# Altium PCB RoboFly.PcbDoc (part 1 of 2)
Units mm, origin at the board's own origin, x right, y up, seen from the top; angles counter-clockwise.
Board outline 75 x 75 mm, 2 copper layers (Top Layer, Bottom Layer); 111 components, 67 nets, 308 pads, 353 vias.
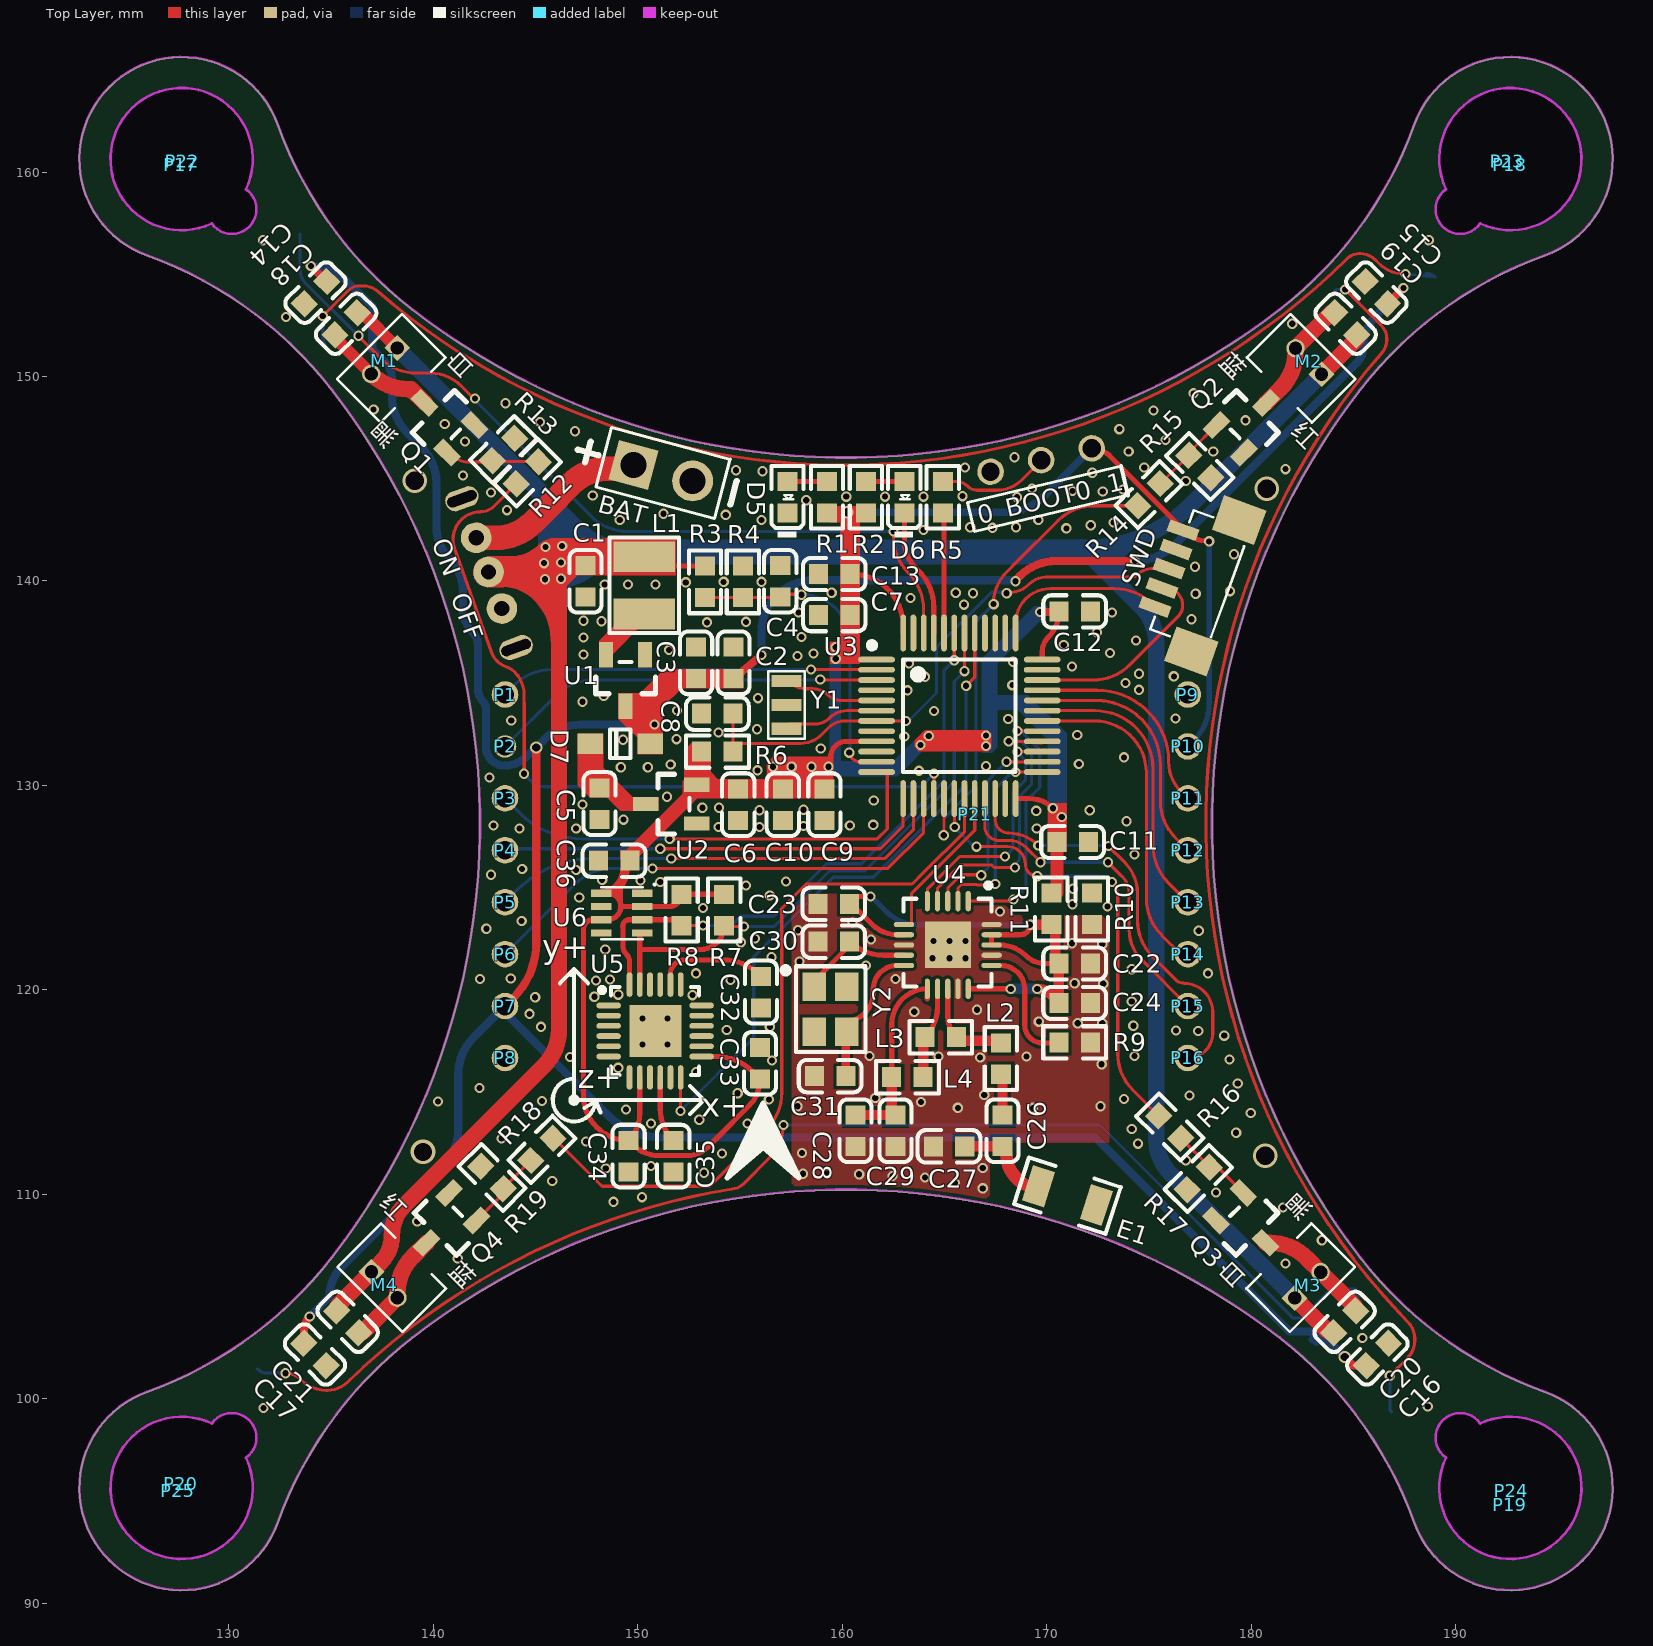
[diagram p0: Top Layer view]
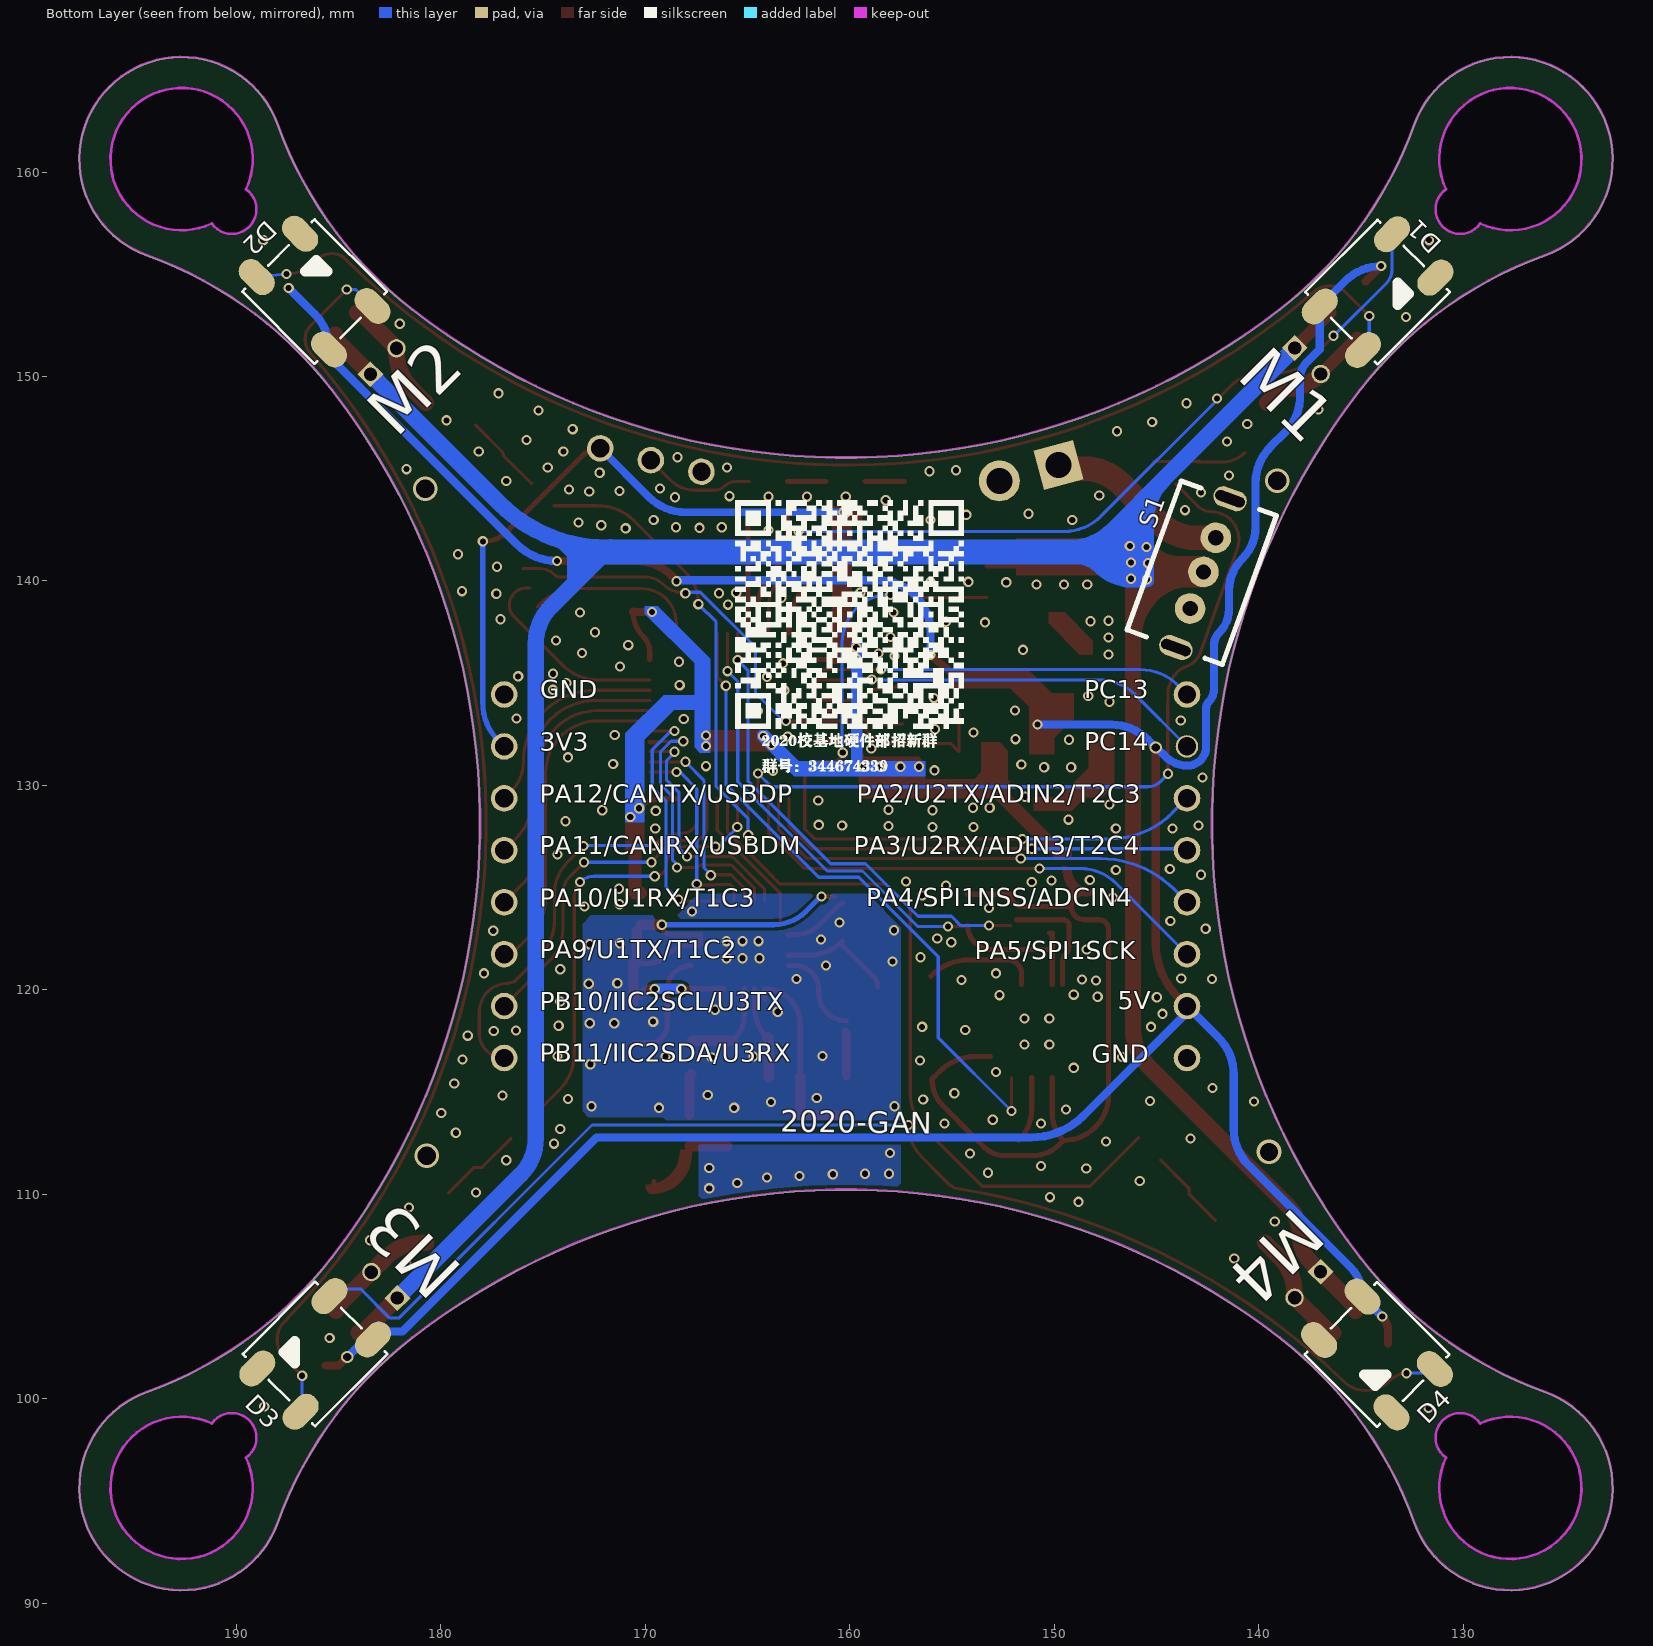
[diagram p1: Bottom Layer view, seen from below]

## Layer stack, top to bottom
Top Solder: solder mask 0.0102, Solder Resist, Dk 3.5
Top Layer: signal copper 0.0356
Dielectric1: dielectric 0.32, FR-4, Dk 4.8
Bottom Layer: signal copper 0.0356
Bottom Solder: solder mask 0.0102, Solder Resist, Dk 3.5

## Board outline
125.995,100.313 ccw(c127.688,95.608) 132.393,93.915 cw(c151.212,87.144) 138.981,102.968 cw(c160.188,75.529) 181.396,102.968 cw(c169.165,87.144) 187.984,93.915 ccw(c192.688,95.608) 194.381,100.313 cw(c201.153,119.132) 185.329,106.901 cw(c212.767,128.108) 185.329,149.316 cw(c201.153,137.085) 194.381,155.904 ccw(c192.688,160.608) 187.984,162.301 cw(c169.165,169.073) 181.396,153.249 cw(c160.188,180.687) 138.981,153.249 cw(c151.212,169.073) 132.393,162.301 ccw(c127.688,160.608) 125.995,155.904 cw(c119.224,137.085) 135.048,149.316 cw(c107.61,128.108) 135.048,106.901 cw(c119.224,119.132)
cut-out: 129.167,98.784 ccw(c127.688,95.634) 130.839,97.112 130.838,97.112 ccw(c130.149,98.094)
cut-out: 189.539,97.112 cw(c190.228,98.094) 191.21,98.783 191.21,98.784 cw(c192.688,95.634)
cut-out: 189.539,159.156 ccw(c190.228,158.173) 191.21,157.484 191.21,157.483 ccw(c192.688,160.634)
cut-out: 129.167,157.483 cw(c127.688,160.634) 130.839,159.155 130.838,159.156 cw(c130.149,158.173)

## Design rules (kind name [scope] priority, off if disabled: settings)
Clearance [All] p1: gap=0.152 ignorepadtopadclearanceinfootprint=FALSE except(0: Arc-Hole Track-Hole SMDPad-Hole THPad-Hole Via-Hole Fill-Hole Poly-Hole Region-Hole Text-Hole)
ComponentClearance [All] p1: gap=0 collisioncheckmode=3 verticalgap=0 showdistances=FALSE
FabricationTestPointUsage TestPointUsage [All] p1: valid=0 allowmultiple=FALSE
FabricationTestpoint Testpoint [All] p1: side=3 testpointundercomponent=TRUE minsize=1.016 maxsize=2.54 preferedsize=1.524 minholesize=0 maxholesize=1.016 preferedholesize=0.813 testpointgrid=0.025 allowsidetop=TRUE allowsidebottom=TRUE usegrid=TRUE gridtolerance=0
HoleToHoleClearance [All] p1: gap=0 allowstackedmicrovias=TRUE
MinimumSolderMaskSliver [All] p1: minsoldermaskwidth=0
PlaneConnect [All] p1: planeconnectstyle=Direct reliefexpansion=0.508 reliefentries=4 reliefconductorwidth=0.254 reliefairgap=0.254
PolygonConnect [(InNet('GND') OR InNet('RF_GND'))] p1: connectstyle=Direct reliefconductorwidth=0.254 reliefentries=4 polygonreliefangle="90 Angle" airgapwidth=0.254
RoutingVias [All] p1: holewidth=0.3 width=0.5 viastyle="Through Hole" minholewidth=0.3 minwidth=0.5 maxholewidth=3 maxwidth=5
SilkToSilkClearance [All] p1: silktosilkclearance=0
SilkToSolderMaskClearance SilkscreenOverComponentPads [IsPad] p1: minsilkscreentomaskgap=0 clearancetoexposedcopper=TRUE
SolderMaskExpansion [All] p1: expansion=0.102 istentingtop=FALSE
Width [All] p1: maxlimit=3.048 minlimit=0.152 preferedwidth=0.152
22 further rules are at their usual default settings.

## Components (designator, comment, footprint, x,y, rotation, side; value= is the part's Value field where it differs from the comment)
BAT "BAT" BAT 149.789,145.665 r345 top
BOOT0 "BOOT" HEADER1X3 167.259,145.339 r13 top
C1 "C_0603" C_0603 147.447,139.979 r270 top
C2 "C_0603" C_0603 154.686,135.992 r90 top
C3 "C_0603" C_0603 152.857,135.992 r90 top
C4 "C_0603" C_0603 156.972,139.979 r270 top
C5 "C_0603" C_0603 148.133,129.108 r270 top
C6 "C_0603" C_0603 154.915,129.057 r270 top
C7 "C_0603" C_0603 159.614,138.328 r0 top
C8 "C_0603" C_0603 153.899,133.502 r0 top
C9 "C_0603" C_0603 159.131,129.057 r90 top
C10 "C_0603" C_0603 157.099,129.057 r90 top
C11 "C_0603" C_0603 171.272,127.229 r0 top
C12 "C_0603" C_0603 171.374,138.506 r180 top
C13 "C_0603" C_0603 159.614,140.335 r180 top
C14 "C_0603" C_0603 134.239,154.102 r45 top
C15 "C_0603" C_0603 186.131,154.102 r315 top
C16 "C_0603" C_0603 186.182,102.159 r225 top
C17 "C_0603" C_0603 134.214,102.159 r135 top
C18 "C_0603" C_0603 135.738,152.578 r45 top
C19 "C_0603" C_0603 184.633,152.578 r315 top
C20 "C_0603" C_0603 184.582,103.759 r225 top
C21 "C_0603" C_0603 135.814,103.759 r135 top
C22 "C_0603" C_0603 171.374,121.285 r0 top
C23 "C_0603" C_0603 159.588,124.206 r180 top
C24 "C_0603" C_0603 171.374,119.355 r0 top
C26 "C_0603" C_0603 167.843,113.106 r270 top
C27 "C_0603" C_0603 165.227,112.344 r0 top
C28 "C_0603" C_0603 160.655,113.106 r90 top
C29 "C_0603" C_0603 162.611,113.106 r90 top
C30 "C_0603" C_0603 159.588,122.352 r0 top
C31 "C_0603" C_0603 159.41,115.773 r0 top
C32 "C_0603" C_0603 156.032,119.888 r90 top
C33 "C_0603" C_0603 155.981,116.408 r270 top
C34 "C_0603" C_0603 149.555,111.862 r90 top
C35 "C_0603" C_0603 151.74,111.862 r270 top
C36 "C_0603" C_0603 148.844,126.314 r180 top
D1 "P923D" RGB_LED_5050 134.188,154.127 r45 bottom
D2 "P923D" RGB_LED_5050 186.182,154.153 r315 bottom
D3 "P923D" RGB_LED_5050 186.157,102.184 r225 bottom
D4 "P923D" RGB_LED_5050 134.214,102.159 r135 bottom
D5 "红色" LED-0603 157.353,144.12 r270 top
D6 "绿色" LED-0603 163.068,144.12 r270 top
D7 "1N4148" SOD-123 149.149,132.029 r0 top
E1 "ANT" ANT 171.018,109.928 r342 top
L1 "Inductor" L_1210 150.317,139.779 r270 top
L2 "Inductor" L_0603 167.767,116.637 r270 top
L3 "Inductor" L_0603 164.821,117.678 r0 top
L4 "Inductor" L_0603 163.195,115.722 r180 top
M1 "Motor_720" MOTOR 137.592,150.749 r225 top
M2 "Motor_720" MOTOR 182.804,150.749 r135 top
M3 "Motor_720" MOTOR 182.778,105.562 r45 top
M4 "Motor_720" MOTOR 137.617,105.562 r315 top
P1 "Header 1" HEADER1#1 143.51,134.442 r270 top
P2 "Header 1" HEADER1#2 143.51,131.902 r270 top
P3 "Header 1" HEADER1#1 143.51,129.362 r0 top
P4 "Header 1" HEADER1#1 143.51,126.822 r0 top
P5 "Header 1" HEADER1#1 143.51,124.282 r0 top
P6 "Header 1" HEADER1#1 143.51,121.742 r0 top
P7 "Header 1" HEADER1#1 143.51,119.202 r0 top
P8 "Header 1" HEADER1#1 143.51,116.662 r0 top
P9 "Header 1" HEADER1#1 176.911,134.442 r0 top
P10 "Header 1" HEADER1#1 176.911,131.902 r0 top
P11 "Header 1" HEADER1#1 176.911,129.362 r0 top
P12 "Header 1" HEADER1#1 176.911,126.822 r0 top
P13 "Header 1" HEADER1#1 176.911,124.282 r0 top
P14 "Header 1" HEADER1#1 176.911,121.742 r0 top
P15 "Header 1" HEADER1#1 176.911,119.202 r0 top
P16 "Header 1" HEADER1#1 176.911,116.662 r0 top
P17 "Header 1" 720MOTOR 127.635,160.35 r0 top
P18 "Header 1" 720MOTOR 192.659,160.35 r0 top
P19 "Header 1" 720MOTOR 192.659,94.818 r0 top
P20 "Header 1" 720MOTOR 127.635,95.834 r0 top
P21 "Header 1" PROTECT_COVER 166.485,128.576 r0 top
P22 "Header 1" BLADEB 127.711,160.528 r225 top
P23 "Header 1" BLADEA 192.532,160.528 r135 top
P24 "Header 1" BLADEB 192.735,95.504 r225 top
P25 "Header 1" BLADEA 127.508,95.504 r315 top
Q1 "SI2302" SOT-23(SOT-23-3) 140.462,147.828 r315 top
Q2 "SI2302" SOT-23(SOT-23-3) 179.857,147.828 r225 top
Q3 "SI2302" SOT-23(SOT-23-3) 179.832,108.509 r135 top
Q4 "SI2302" SOT-23(SOT-23-3) 140.564,108.509 r45 top
R1 "R_0603" R_0603 159.258,144.094 r90 top
R2 "R_0603" R_0603 161.163,144.094 r90 top
R3 "R_0603" R_0603 153.289,139.954 r90 top
R4 "R_0603" R_0603 155.143,139.954 r270 top
R5 "R_0603" R_0603 164.922,144.094 r270 top
R6 "R_0603" R_0603 153.899,131.648 r180 top
R7 "R_0603" R_0603 154.229,123.901 r270 top
R8 "R_0603" R_0603 152.146,123.901 r270 top
R9 "R_0603" R_0603 171.374,117.424 r0 top
R10 "R_0603" R_0603 172.212,123.952 r270 top
R11 "R_0603" R_0603 170.231,123.952 r270 top
R12 "R_0603" R_0603 144.602,145.288 r45 top
R13 "R_0603" R_0603 143.434,146.431 r225 top
R14 "R_0603" R_0603 175.006,144.221 r45 top
R15 "R_0603" R_0603 177.495,145.593 r135 top
R16 "R_0603" R_0603 176.022,113.284 r315 top
R17 "R_0603" R_0603 177.419,110.769 r45 top
R18 "R_0603" R_0603 145.313,112.192 r225 top
R19 "R_0603" R_0603 142.875,110.82 r315 top
S1 "SW-SPDT" SWITCH_PWR 141.402,144.018 r200 bottom
SWD "SWD" SH1_0X5P_WT 176.13,140.547 r70 top
U1 "HT7750SA" SOT-23(SOT-23-3) 149.403,135.128 r90 top
U2 "XC6206" SOT-23(SOT-23-3) 151.638,129.083 r0 top
U3 "STM32F103C8T6" LQFP-48_7x7x05P 165.735,133.401 r270 top
U4 "Si24R1" QFN20 166.167,124.333 r270 top
U5 "MPU6050" QFN-24_4x4x05P 150.851,117.983 r270 top
U6 "FBM320\BMP280\SPL06" LGA-2_5X2MM 149.225,123.749 r0 top
Y1 "XTAL" SMD-cstse800G52-r0 157.277,133.934 r270 top
Y2 "XTAL" SMD-3225_4P 159.436,119.05 r270 top

## Footprints (in the part's own frame and the unit in brackets; to place one, negate y for a bottom-side part, rotate by r counter-clockwise, add the part's x,y. Pads: shape width x height; smd on the part's side, far side on the other; paste and mask are expansions set on the pad)
720MOTOR [mm]
  body extent -4.5,-4.5 4.5,4.5, height 20.3
ANT [mm]
  rect 1.13x1.8 smd: 0(1.49,0) 1(-1.49,0)
  silkscreen extent -2.36,-1.2 2.35,1.2, body extent -2.25,-1 2.25,1, height 0.88
BAT [mm]
  rect 2x2 hole 1.27: 1(0,0)
  round 2 hole 1.27: 2(3,0)
  silkscreen extent -2.82,-1.5 5.08,1.5
BLADEA [mm]
  body extent -27.5,-3.91 27.5,3.92, height 20
BLADEB [mm]
  body extent -27.5,-4 27.5,4, height 20
C_0603 [mm]
  rect 0.93x0.98 smd: 1(-0.77,0) 2(0.77,0)
  silkscreen extent -1.53,-0.79 1.54,0.79, body extent -0.8,-0.4 0.8,0.4, height 0.3
HEADER1#1 [mm]
  round 1.3 hole 0.9: 1(0,0)
  body extent -1.26,-1.26 1.28,1.28, height 8.5
HEADER1#2 [mm]
  round 1.1 hole 0.9: 1(0,0)
  body extent -1.26,-1.26 1.28,1.28, height 8.5
HEADER1X3 [mm]
  round 1.3 hole 0.9: 1(0,0) 2(2.54,0) 3(5.08,0)
  body extent -1.26,-1.26 6.36,1.28, height 8.5
L_0603 [mm]
  rect 0.93x0.98 smd: 1(-0.77,0) 2(0.77,0)
  silkscreen extent -1.54,-0.79 1.54,0.79, body extent -0.85,-0.4 0.85,0.4, height 0.56
L_1210 [mm]
  rect 1.5x3 smd: 1(-1.394,0) 2(1.394,0)
  silkscreen extent -2.34,-1.7 2.34,1.7, body extent -1.89,-1.51 3.55,3.16, height 1.9
LED-0603 [mm]
  rect 0.93x0.98 smd: 1(-0.745,-0.025) 2(0.795,-0.025)
  silkscreen extent -1.51,-0.82 2,0.76, body extent -0.77,-0.43 0.83,0.37, height 0.6
LGA-2_5X2MM [mm]
  rect 1x0.35 smd: 1(1.001,0.975) 2(1.001,0.325) 3(1.001,-0.325) 4(1.001,-0.975) 5(-1.001,-0.975) 6(-1.001,-0.325) 7(-1.001,0.325) 8(-1.001,0.975)
  silkscreen extent -1.02,-1.27 1.65,1.45, body extent -1.09,-1.35 1.09,1.31, height 0.9
LQFP-48_7x7x05P [mm]
  oval 0.28x1.8 smd mask+0.051: 1(-2.75,-4.05) 2(-2.25,-4.05) 3(-1.75,-4.05) 4(-1.25,-4.05) 5(-0.75,-4.05) 6(-0.25,-4.05) 7(0.25,-4.05) 8(0.75,-4.05) 9(1.25,-4.05) 10(1.75,-4.05) 11(2.25,-4.05) 12(2.75,-4.05) 25(2.75,4.05) 26(2.25,4.05) 27(1.75,4.05) 28(1.25,4.05) 29(0.75,4.05) 30(0.25,4.05) 31(-0.25,4.05) 32(-0.75,4.05) 33(-1.25,4.05) 34(-1.75,4.05) 35(-2.25,4.05) 36(-2.75,4.05)
  oval 1.8x0.28 smd mask+0.051: 13(4.05,-2.75) 14(4.05,-2.25) 15(4.05,-1.75) 16(4.05,-1.25) 17(4.05,-0.75) 18(4.05,-0.25) 19(4.05,0.25) 20(4.05,0.75) 21(4.05,1.25) 22(4.05,1.75) 23(4.05,2.25) 24(4.05,2.75) 37(-4.05,2.75) 38(-4.05,2.25) 39(-4.05,1.75) 40(-4.05,1.25) 41(-4.05,0.75) 42(-4.05,0.25) 43(-4.05,-0.25) 44(-4.05,-0.75) 45(-4.05,-1.25) 46(-4.05,-1.75) 47(-4.05,-2.25) 48(-4.05,-2.75)
  silkscreen extent -3.6,-4.42 2.75,2.75, body extent -4.5,-4.5 4.5,4.5, height 1.45
MOTOR [mm]
  rect 0.9x0.9 hole 0.65: 1(-0.911,0)
  round 0.9 hole 0.65: 2(0.886,0)
  silkscreen extent -2.25,-1 2.25,2, body extent -2.09,-1.19 2.11,2.01, height 5
PROTECT_COVER [mm]
  body extent -66.35,-66.54 66.65,66.34, height 16
QFN20 [mm]
  rect 2.261x2.261 smd: 0(2.134,-0.991)
  oval 1x0.25 smd: 1(0,0) 2(0,-0.5) 3(0,-1) 4(0,-1.5) 5(0,-2) 11(4.286,-2) 12(4.286,-1.5) 13(4.286,-1) 14(4.286,-0.5) 15(4.286,0)
  oval 0.25x1 smd: 6(1.143,-3.143) 7(1.643,-3.143) 8(2.143,-3.143) 9(2.643,-3.143) 10(3.143,-3.143) 16(3.143,1.143) 17(2.643,1.143) 18(2.143,1.143) 19(1.643,1.143) 20(1.143,1.143)
  silkscreen extent -0.89,-3.17 4.18,1.13, body extent 0.03,-3.02 4.03,0.98, height 0.9
QFN-24_4x4x05P [mm]
  oval 0.28x1.2 smd mask+0.051: 1(-1.25,-2.273) 2(-0.75,-2.273) 3(-0.25,-2.273) 4(0.25,-2.273) 5(0.75,-2.273) 6(1.25,-2.273) 13(1.25,2.273) 14(0.75,2.273) 15(0.25,2.273) 16(-0.25,2.273) 17(-0.75,2.273) 18(-1.25,2.273)
  oval 1.2x0.28 smd mask+0.051: 7(2.273,-1.25) 8(2.273,-0.75) 9(2.273,-0.25) 10(2.273,0.25) 11(2.273,0.75) 12(2.273,1.25) 19(-2.273,1.25) 20(-2.273,0.75) 21(-2.273,0.25) 22(-2.273,-0.25) 23(-2.273,-0.75) 24(-2.273,-1.25)
  silkscreen extent -2.15,-2.72 2.15,2.15, body extent -2,-2 2,2, height 0.9
R_0603 [mm]
  rect 0.93x0.98 smd: 1(-0.77,0) 2(0.77,0)
  silkscreen extent -1.53,-0.79 1.54,0.79, body extent -0.85,-0.4 0.85,0.4, height 0.56
RGB_LED_5050 [mm]
  oval 1.2x2 smd: 1(-1.5,-2.5) 2(1.5,-2.5) 3(1.5,2.5) 4(-1.5,2.5)
  silkscreen extent -2.5,-2.5 2.5,2.5, body extent -2.5,-2.7 2.5,2.7, height 1.55
SH1_0X5P_WT [mm]
  rect 0.6x1.5 smd: 1(-2,0.15) 2(-1,0.15) 3(0,0.15) 4(1,0.15) 5(2,0.15)
  rect 1.8x2.2 smd: 6(3.404,-2.261) 7(-3.429,-2.261)
  silkscreen extent -3.1,-2.92 3.1,0, body extent -3.55,-4.04 3.45,0.91, height 2.9
SMD-3225_4P [mm]
  rect 1.4x1.15 smd: 1(-1.1,-0.8) 2(1.1,-0.8) 3(1.1,0.8) 4(-1.1,0.8)
  silkscreen extent -2.1,-2.35 2.1,1.7, body extent -1.6,-1.25 1.6,1.25, height 0.61
SMD-cstse800G52-r0 [mm]
  rect 0.6x1.45 smd: 1(-1.168,0) 2(1.168,0) 3(0,0)
  silkscreen extent -1.65,-0.89 1.65,0.89, body extent -1.61,-0.76 1.59,0.76, height 0.7
SOD-123 [mm]
  rect 1.25x1 smd: 1(1.475,0) 2(-1.475,0)
  silkscreen extent -0.5,-0.7 0.5,0.7, body extent -1.85,-0.77 1.85,0.78, height 1.35
SOT-23(SOT-23-3) [mm]
  rect 1.25x0.7 smd: 1(1.25,-0.95) 2(1.25,0.95) 3(-1.25,0)
  silkscreen extent -0.65,-1.46 0.9,1.46, body extent -1.25,-1.5 1.15,1.5, height 1.05
SWITCH_PWR [mm]
  round 1.5 hole 0.75: 1(0,-2.032) 2(0,-3.81) 3(0,-5.715)
  oval 1.676x1 hole 0.5 slot 1.5 at 0 deg: ""(0,0) ""(0,-7.747)
  silkscreen extent -2.54,-7.75 2.41,0, body extent -1.85,-8.06 1.85,0.44, height 6.5

## Part data
BAT: "Header, 2-Pin"
BOOT0: library part "Header 3", "Header, 3-Pin"
D5 D6: library part "LED 0603", "发光二极管"
D7: library part Diode, "Default Diode"
L1: "电感"
L2 L3 L4: library part Inductor_1, "电感"
M1 M2 M3 M4: "Motor, General Kind"
Q1 Q2 Q3 Q4: "N-Channel Power MOSFET"
S1: "SPDT Subminiature Toggle Switch, Right Angle Mounting, Vertical Actuation"
SWD: library part "Header 5", "Header, 5-Pin"
U4: library part nRF24L01
U6: library part FBM320, "气压计"
Y1: library part XTAL_2
Y2: library part XTAL16M, "XTAL16M"

## Free pads (board coordinates)
  rect 2.54x2.54 smd: 0(150.876,117.983)

## Via types
v1: diameter 0.5, hole 0.3, Top Layer to Bottom Layer, tented both sides, 346 vias
v2: diameter 1.2, hole 0.9, Top Layer to Bottom Layer, tented both sides, 4 vias
v3: diameter 0.6, hole 0.4, Top Layer to Bottom Layer, tented both sides, 3 vias

## Nets (pads, with @x,y where several pads share a name; then routed paths per layer and width w, separated by ;. In a path a pad name is that pad's centre, name@x,y a point inside that pad or via, vN(x,y) a via of type N, cw(c..) or ccw(c..) an arc to the next point about the centre after c; other vN are vias at no path point)
3V3: BOOT0.3 C6.1 C7.2 C9.2 C10.2 C11.1 C12.2 C13.1 C33.2 C34.2 C36.1 P10.1 R1.1 R2.1 R6.2 R7.1 R8.1 R11.1 SWD.5 U2.2 U3.1 U3.9 U3.24 U3.36 U3.48 U5.8 U5.13 U6.2 U6.6 U6.8 | length 88.3
  Top Layer w0.254: U6.8@148.224,124.724 148.529,124.724 cw(c148.529,124.079) 149.174,124.079 ; U5.8@150.101,115.71 150.101,113.948 cw(c148.239,113.948) C34.2@149.555,112.632 ; U5.13@153.124,116.733 153.835,116.733 cw(c153.835,114.193) 155.631,115.989 C33.2@155.981,115.638 cw(c154.1,115.638) 155.43,114.308 153.899,112.776 153.422,112.3 cw(c152.426,113.295) 152.426,111.887 151.047,111.887 cw(c151.047,113.691) 149.771,112.415 C34.2@149.555,112.632 ; R7.1@154.229,124.671 R8.1@152.146,124.671 cw(c151.549,124.671) 151.549,124.074 U6.2@150.226,124.074 ccw(c150.221,124.074) 150.221,124.079 149.174,124.079 ; 159.436,131.369 cw(c160.218,131.369) 160.218,132.151 U3.9@161.685,132.151 U3.9@160.9,132.151 ; U3.1@161.685,136.151 160.839,136.151 cw(c160.839,136.735) 160.426,136.322 cw(c160.917,136.812) 160.223,136.812 160.223,137.941 cw(c160.771,137.941) C7.2@160.384,138.328 C13.1@160.384,140.335 160.445,140.335 cw(c160.445,137.795) 162.985,137.795 U3.48@162.985,137.451 ; U3.24@168.485,129.351 169.169,129.351 cw(c169.169,127.742) v1(170.307,128.88) ; U3.36@169.785,136.151 169.785,136.528 cw(c170.787,136.528) 170.078,137.236 ccw(c168.81,138.505) 170.604,138.505 C12.2@170.604,138.506 ; BOOT0.3@172.209,146.482 cw(c172.209,145.247) 173.082,146.12 174.574,144.628 176.673,142.529 SWD.5@176.673,142.478 176.694,142.456 ccw(c177.952,143.715) v1(177.952,141.935) ; 149.174,124.079 cw(c148.519,124.079) 148.519,123.424 U6.6@148.224,123.424 147.808,123.424 ccw(c147.808,122.961) 147.345,122.961 147.345,114.841 ccw(c149.555,114.841) C34.2@149.555,112.632
  Top Layer w0.381: v1(169.672,138.481) 170.578,138.481 C12.2@170.604,138.506
  Top Layer w0.635: R11.1@170.231,124.722 170.502,124.722 C11.1@170.502,127.229
  Bottom Layer w0.254: P10.1@176.911,131.902 177.208,132.2 ccw(c175.412,133.996) 177.952,133.996 v1(177.952,141.935)
  Bottom Layer w0.381: v3(160.249,143.358) 168.033,143.358 ccw(c168.033,145.898) 169.829,144.102 BOOT0.3@172.209,146.482
  other v1: 170.739,128.448 156.616,130.912 157.531,130.912 158.496,130.912 159.334,130.912 167.03,131.928 163.83,131.978 164.236,132.41 167.03,132.436 159.69,136.195 159.69,136.754
5V: C2.1 C3.1 C14.2 C15.2 C16.2 C17.2 D1.3 D2.3 D3.3 D4.3 D7.1 P7.1 U1.3 | length 164.1
  Top Layer w0.4: C17.2@133.669,102.703 133.669,103.312 cw(c134.661,103.312) v1(133.96,104.013) ; v1(134.01,155.397) 134.746,154.662 ccw(c134.783,154.7) C14.2@134.783,154.646 ; P7.1@143.51,119.202 143.943,119.635 ccw(c141.307,122.271) 145.035,122.271 v3@145.035,131.85 ; C2.1@154.686,135.222 v1(156.058,136.373) ; v1@168.478,140.03 168.674,140.226 cw(c170.47,138.43) 170.47,140.97 v1(174.32,140.97) ; v3(184.582,102.032) 184.999,101.614 C16.2@185.638,101.614 ; C15.2@186.676,153.557 187.472,154.354 cw(c187.477,154.348) 187.477,154.356 v1(187.452,154.33)
  Bottom Layer w0.4: v1(133.96,104.013) 134.911,104.965 ccw(c134.889,104.987) D4.3@134.921,104.987 134.921,105.006 cw(c136.929,105.006) 135.509,106.426 140.48,111.397 ccw(c138.684,113.193) 141.224,113.193 141.224,115.864 cw(c143.764,115.864) 141.968,117.66 P7.1@143.51,119.202 143.51,118.897 148.569,113.839 ccw(c151.134,116.404) 151.134,112.776 172.39,112.776 181.889,103.276 182.943,103.276 D3.3@183.328,102.891 ; v1(134.01,155.397) cw(c134.01,152.913) 135.767,154.669 D1.3@137.017,153.42 137.017,151.324 137.668,150.673 cw(c136.932,149.937) 137.973,149.937 137.973,149.058 ccw(c140.513,149.058) 138.717,147.262 139.413,146.565 cw(c137.617,144.769) 140.157,144.769 140.157,142.63 ccw(c142.325,142.63) 140.792,141.097 cw(c139.198,139.503) 141.453,139.503 141.453,138.63 ccw(c143.1,138.63) 141.935,137.465 cw(c141.322,136.852) 142.189,136.852 142.189,134.7 ccw(c143.056,134.7) 142.443,134.087 cw(c142.128,133.771) 142.574,133.771 142.574,131.873 ccw(c143.485,131.873) 143.485,130.962 ccw(c143.485,132.495) 144.569,131.411 v3@145.021,131.864 ; v3(145.034,131.851) 145.408,132.225 cw(c147.204,130.429) 147.204,132.969 v1@150.8,132.969 ; v1(156.058,136.373) 156.058,137.49 cw(c158.598,137.49) 158.598,140.03 v1@168.478,140.03 ; v1(174.32,140.97) ccw(c174.32,143.729) 176.271,141.778 185.233,150.74 ccw(c184.648,151.324) D2.3@185.475,151.324 ; D3.3@183.024,102.891 D3.3@183.328,102.891 ; D3.3@183.219,102.782 D3.3@183.328,102.891 ; v3(184.582,102.032) 183.722,102.891 D3.3@183.328,102.891 ; D2.3@185.475,151.196 D2.3@185.475,151.324 ; v1(187.452,154.33) 186.203,153.081 ccw(c187.96,151.324) D2.3@185.475,151.324
  other v1: 150.825,132.969 168.478,139.979
BOOT0: R5.2 U3.44 | length 5.9
  Top Layer w0.254: R5.2@164.922,143.324 cw(c164.771,143.173) 164.985,143.173 U3.44@164.985,137.451
GND: BAT.2 BOOT0.1 C1.2 C2.2 C3.2 C4.1 C5.2 C6.2 C7.1 C8.1 C9.1 C10.1 C11.2 C12.1 C13.2 C14.1 C15.1 C16.1 C17.1 C32.1 C33.1 C34.1 C35.2 C36.2 D1.1 D2.1 D3.1 D4.1 D5.2 P8.1 P9.1 pad.0 Q1.2 Q2.2 Q3.2 Q4.2 R4.1 R10.1 R13.1 R15.1 R17.1 R19.1 SWD.4 U1.1 U2.1 U3.8 U3.23 U3.35 U3.47 U5.1 U5.9 U5.11 U5.18 U6.1 U6.5 U6.7 Y1.3
  other v1: 131.699,99.543 188.646,99.619 185.445,102.972 181.686,106.604 141.199,106.858 183.464,107.747 139.217,108.661 181.559,109.347 148.819,109.626 150.216,109.855 178.283,110.084 145.821,110.642 153.238,111.049 148.438,111.252 150.647,111.379 176.809,111.658 154.127,111.989 174.473,112.471 147.472,112.573 143.332,112.725 179.273,113.005 174.168,113.182 150.647,113.462 155.372,113.462 153.01,113.64 179.984,113.97 149.428,114.148 140.233,114.529 145.313,114.554 156.413,114.63 173.787,114.656 176.987,114.833 154.889,114.935 142.265,115.189 179.349,115.418 152.857,115.976 149.047,116.18 156.566,116.535 178.943,116.586 146.685,116.713 174.295,116.764 150.241,117.323 151.46,117.323 178.689,117.754 177.419,117.983 176.327,118.008 154.356,118.034 145.263,118.186 156.464,118.186 174.244,118.237 150.241,118.593 151.46,118.593 144.704,118.821 174.168,119.431 144.983,119.634 147.879,119.659 152.679,119.736 149.047,119.761 147.955,120.447 154.534,120.472 148.641,120.498 142.291,120.523 143.789,120.548 152.857,120.802 177.902,120.802 174.168,121.006 156.54,121.59 148.412,121.971 155.042,122.326 155.727,122.504 177.444,122.885 142.596,122.987 144.323,123.368 153.187,124.003 172.974,124.079 171.272,124.181 147.142,124.511 156.464,124.612 171.298,124.943 155.296,125.095 151.105,125.273 157.251,125.298 150.139,125.349 148.26,125.374 142.824,125.628 146.99,125.857 144.348,125.908 174.295,126.619 144.221,127.889 146.99,127.889 169.52,127.889 153.949,127.965 155.956,127.965 158.115,128.016 142.951,128.041 160.376,128.041 161.519,128.067 173.914,128.245 149.301,128.321 169.494,128.753 155.956,128.778 172.11,128.778 158.115,128.803 153.162,128.905 153.975,128.905 147.295,129.057 161.544,129.261 151.435,129.438 142.748,130.378 163.754,130.708 155.854,130.734 149.174,130.886 150.495,130.886 167.03,130.937 151.613,131.013 171.577,131.039 173.787,131.369 158.953,131.801 149.276,132.232 151.892,132.258 163.043,132.385 171.501,132.461 153.949,132.588 155.829,132.74 143.815,133.172 168.123,133.248 176.301,133.274 164.49,133.629 151.917,133.655 147.295,134.087 155.88,134.264 148.336,134.366 163.195,134.645 174.523,134.671 168.326,134.899 173.863,135.001 164.059,135.306 176.225,135.331 174.523,135.458 171.247,135.814 163.271,135.966 168.351,136.042 157.81,136.322 147.345,136.398 158.598,136.449 173.101,136.474 151.536,136.627 170.84,136.855 174.371,137.084 147.345,137.236 158.013,137.262 172.466,137.49 153.391,137.973 155.296,137.998 148.234,138.024 147.345,138.049 177.089,138.125 157.861,138.455 173.203,138.455 165.964,138.836 163.347,139.167 177.292,139.37 166.395,139.395 159.487,139.421 165.557,139.421 178.968,139.497 148.387,139.827 149.53,139.827 150.876,139.827 152.349,139.929 154.203,139.954 156.058,139.954 177.267,140.691 179.172,141.3 163.982,142.494 170.967,142.57 167.361,142.596 166.268,142.621 168.504,142.621 172.161,142.723 173.279,142.85 149.123,142.977 156.058,142.977 169.596,142.977 154.305,143.231 151.257,143.281 143.612,143.459 158.242,143.942 168.554,144.094 160.198,144.12 162.103,144.12 163.982,144.12 165.887,144.145 147.803,144.17 142.824,144.323 172.745,144.374 171.272,144.399 173.736,144.475 169.291,144.526 176.809,144.882 141.453,145.161 172.237,145.288 156.108,145.364 154.813,145.415 181.686,145.466 166.014,145.542 174.777,145.542 168.427,146.05 174.015,146.329 178.156,146.329 141.554,146.812 175.819,146.888 146.939,147.32 173.558,147.422 140.564,147.676 145.212,147.777 179.73,147.853 175.235,148.336 137.084,148.387 143.535,148.692 177.19,149.174 182.016,152.578 132.791,152.908 131.674,156.667 188.697,156.667
  other v2: 180.696,111.887 139.497,112.065 180.772,144.501 139.09,144.907
INT: U3.41 U5.12 | length 32.1
  Top Layer w0.152: U5.12@152.101,115.71 152.101,114.117 v1@152.146,114.071 ; v1(166.065,134.874) 166.485,135.294 U3.41@166.485,137.451
  Bottom Layer w0.152: v1(152.095,114.071) 155.677,117.653 155.677,121.615 159.563,125.501 161.519,125.501 166.065,130.048 v1(166.065,134.874)
NetBAT_1: BAT.1 S1.1 | length 8.9
  Top Layer w1.2: S1.1@142.097,142.109 143.063,142.109 ccw(c143.063,144.649) 144.859,142.852 145.567,143.561 146.754,144.747 cw(c148.55,142.951) 148.55,145.491 149.581,145.491 149.729,145.64 cw(c149.789,145.579) BAT.1@149.789,145.665
NetBOOT0_2: BOOT0.2 R5.1 | length 5.5
  Top Layer w0.152: R5.1@164.922,144.864 165.57,144.864 cw(c165.57,144.056) 166.141,144.628 ccw(c166.606,145.092) 166.606,144.435 167.564,144.435 ccw(c167.564,146.181) 168.798,144.946 BOOT0.2@169.737,145.885
NetC5_1: C5.1 D7.2 U2.3
NetC18_1: C18.1 M1.2 Q1.3 | length 5.6
  Top Layer w0.6: C18.1@135.193,151.895 M1.2@136.965,150.123
  Top Layer w0.8: M1.2@136.965,150.123 ccw(c138.761,151.919) 138.761,149.379 138.911,149.379 Q1.3@139.578,148.712
NetC19_1: C19.1 M2.2 Q2.3 | length 5.8
  Top Layer w0.8: Q2.3@180.741,148.712 181.433,149.404 ccw(c179.637,151.2) 182.177,151.2 M2.2@182.177,151.375 183.924,153.122 C19.1@184.088,153.122
NetC20_1: C20.1 M3.2 Q3.3 | length 5.8
  Top Layer w0.8: Q3.3@180.716,107.625 180.916,107.625 cw(c180.916,105.085) 182.713,106.881 M3.2@183.405,106.189 185.01,104.583 cw(c184.731,104.303) C20.1@185.126,104.303
NetC21_1: C21.1 M4.2 Q4.3 | length 5.8
  Top Layer w0.8: C21.1@136.358,103.215 ccw(c136.358,103.61) 136.638,103.33 M4.2@138.244,104.936 138.244,105.137 cw(c140.784,105.137) 138.988,106.933 Q4.3@139.68,107.625
NetC26_1: C26.1 L2.2 | length 2.1
  Top Layer w0.254: C26.1@167.767,113.876 C26.1@167.843,113.876
  Top Layer w0.508: L2.2@167.767,115.867 167.843,115.791 C26.1@167.843,113.876
NetC26_2: C26.2 C27.2 E1.1 | length 2.1
  Top Layer w0.254: E1.1@169.575,110.363 E1.1@169.575,110.604
  Top Layer w0.508: C27.2@165.997,112.344 166.005,112.336 C26.2@167.843,112.336
NetC28_2: C28.2 C29.2 L4.2 U4.11 | length 9.7
  Top Layer w0.254: L4.2@162.425,115.722 162.425,118.305 cw(c164.167,118.305) U4.11@164.167,120.047 U4.11@164.167,119.562
  Top Layer w0.508: C28.2@160.655,113.876 C29.2@162.611,113.876 162.425,114.062 L4.2@162.425,115.722
NetC30_2: C30.2 U4.9 Y2.1 | length 5.6
  Top Layer w0.254: Y2.1@158.636,120.15 cw(c159.384,120.15) Y2.1@158.855,120.679 ; Y2.1@158.88,120.679 C30.2@160.376,122.174 ; C30.2@160.358,122.377 ccw(c162.017,124.036) 162.017,121.69 U4.9@163.024,121.69
NetC31_2: C31.2 U4.10 Y2.3 | length 6.7
  Top Layer w0.254: Y2.3@160.18,118.479 ccw(c160.18,119.817) 161.519,119.817 161.519,120.015 cw(c162.694,120.015) 162.694,121.19 U4.10@163.024,121.19
  Top Layer w0.4: C31.2@160.18,115.773 160.18,117.894 Y2.3@160.236,117.95
NetC32_2: C32.2 U5.20 | length 5.6
  Top Layer w0.254: U5.20@151.601,120.256 151.601,120.765 cw(c152.298,120.765) 152.298,121.463 154.175,121.463 cw(c154.175,118.923) 155.971,120.719 C32.2@156.032,120.658
NetC35_1: C35.1 U5.10 | length 3.2
  Top Layer w0.254: U5.10@151.101,115.71 151.101,114.174 ccw(c153.282,114.174) C35.1@151.74,112.632
NetD1_4: D1.4 D2.2 | length 62.9
  Top Layer w0.152: v1(134.595,152.959) 135.826,154.191 cw(c136.409,153.608) 136.409,154.432 136.581,154.432 cw(c136.581,153.41) 137.304,154.133 ccw(c160.119,180.637) 184.7,155.762 cw(c185.291,155.171) 185.291,156.007 185.344,156.007 cw(c185.344,154.964) 186.081,155.701 186.233,155.55 ccw(c187.521,156.837) 187.521,155.016 v1(187.554,155.016)
  Bottom Layer w0.152: v1(134.595,152.959) 134.595,152.025 ccw(c135.621,152.025) D1.4@134.895,151.299 ; v1(187.554,155.016) D2.2@189.01,154.86 ; D2.2@189.01,154.86 ccw(c188.571,154.421) 188.571,155.042 cw(c188.571,154.421) D2.2@189.01,154.86
NetD2_4: D2.4 D3.2 | length 62.6
  Top Layer w0.152: v1(184.607,154.254) 186.385,152.476 ; 186.406,152.456 186.386,152.476 ; v1(186.792,101.117) 187.652,101.977 ccw(c186.784,102.845) 188.011,102.845 188.011,102.941 ccw(c186.862,102.941) 187.674,103.753 cw(c212.819,128.146) 186.347,151.091 ccw(c185.64,151.797) 186.639,151.797 186.639,151.863 ccw(c185.772,151.863) 186.386,152.476
  Bottom Layer w0.152: D2.4@183.354,153.446 184.162,154.254 v1(184.607,154.254) ; v1(186.792,101.117) 186.792,99.53 ccw(c187.038,99.53) D3.2@186.864,99.356
NetD3_4: D3.4 D4.2 | length 63.9
  Top Layer w0.152: v1(132.766,101.244) cw(c132.766,100.202) 133.503,100.939 133.528,100.914 ccw(c134.754,102.141) 134.754,100.406 134.811,100.406 ccw(c134.811,101.84) 135.825,100.826 cw(c160.175,75.725) 154.64,110.256 ; 154.623,110.254 ccw(c154.544,111.157) 155.189,110.52 ; 155.185,110.516 156.467,111.798 ccw(c154.879,113.386) v1(157.124,113.386)
  Bottom Layer w0.152: D4.2@131.385,101.452 ccw(c131.886,101.952) 131.886,101.244 v1(132.766,101.244) ; v1@157.175,113.386 172.615,113.386 182.064,103.937 182.499,103.937 183.921,105.359 185.103,105.359 D3.4@185.45,105.013 D3.4@184.932,105.013
NetD5_1: D5.1 R1.2 | length 1.9
  Top Layer w0.254: D5.1@157.328,144.864 R1.2@159.258,144.864
NetD6_1: D6.1 R2.2 | length 1.9
  Top Layer w0.254: R2.2@161.163,144.864 D6.1@163.043,144.864
NetL1_2: L1.2 U1.2
NetL2_1: L2.1 L3.2 U4.13 | length 4.8
  Top Layer w0.254: U4.13@165.167,120.047 165.167,118.701 ccw(c166.614,118.701) L3.2@165.591,117.678 ; L3.2@165.481,117.788 L3.2@165.591,117.678 ; L3.2@165.591,117.407 L3.2@165.591,117.678
  Top Layer w0.508: L3.2@165.811,117.508 L2.1@167.716,117.508
NetL3_1: L3.1 L4.1 U4.12 | length 4.5
  Top Layer w0.254: L3.1@164.051,117.678 ccw(c162.563,119.166) 164.667,119.166 U4.12@164.667,120.047
  Top Layer w0.508: L4.1@163.965,115.722 163.965,117.593 cw(c164.051,117.593) L3.1@164.051,117.678
NetQ1_1: Q1.1 R12.2 R13.2 | length 4.8
  Top Layer w0.152: Q1.1@140.674,146.272 ccw(c141.79,147.388) 141.79,145.81 R13.2@143.042,145.81 ; R13.2@142.889,145.887 ccw(c143.02,146.017) 143.02,145.832 R12.2@145.147,145.832
NetQ2_1: Q2.1 R14.2 R15.2 | length 4
  Top Layer w0.152: R14.2@175.55,144.766 ccw(c175.55,144.835) 175.599,144.786 R15.2@176.951,146.137 cw(c177.259,146.137) 177.041,146.355 Q2.1@178.302,147.616
NetQ3_1: Q3.1 R16.2 R17.2 | length 4.2
  Top Layer w0.152: R16.2@176.566,112.74 177.943,111.363 cw(c177.894,111.314) R17.2@177.963,111.314 178.37,111.314 Q3.1@179.62,110.064
NetQ4_1: Q4.1 R18.2 R19.2 | length 4.1
  Top Layer w0.152: Q4.1@142.119,108.721 143.419,110.021 R19.2@143.419,110.276 143.419,110.298 R18.2@144.794,111.673